# Altium PCB SEC_3002_DZ&HL.PcbDoc (part 3 of 7) (continued)
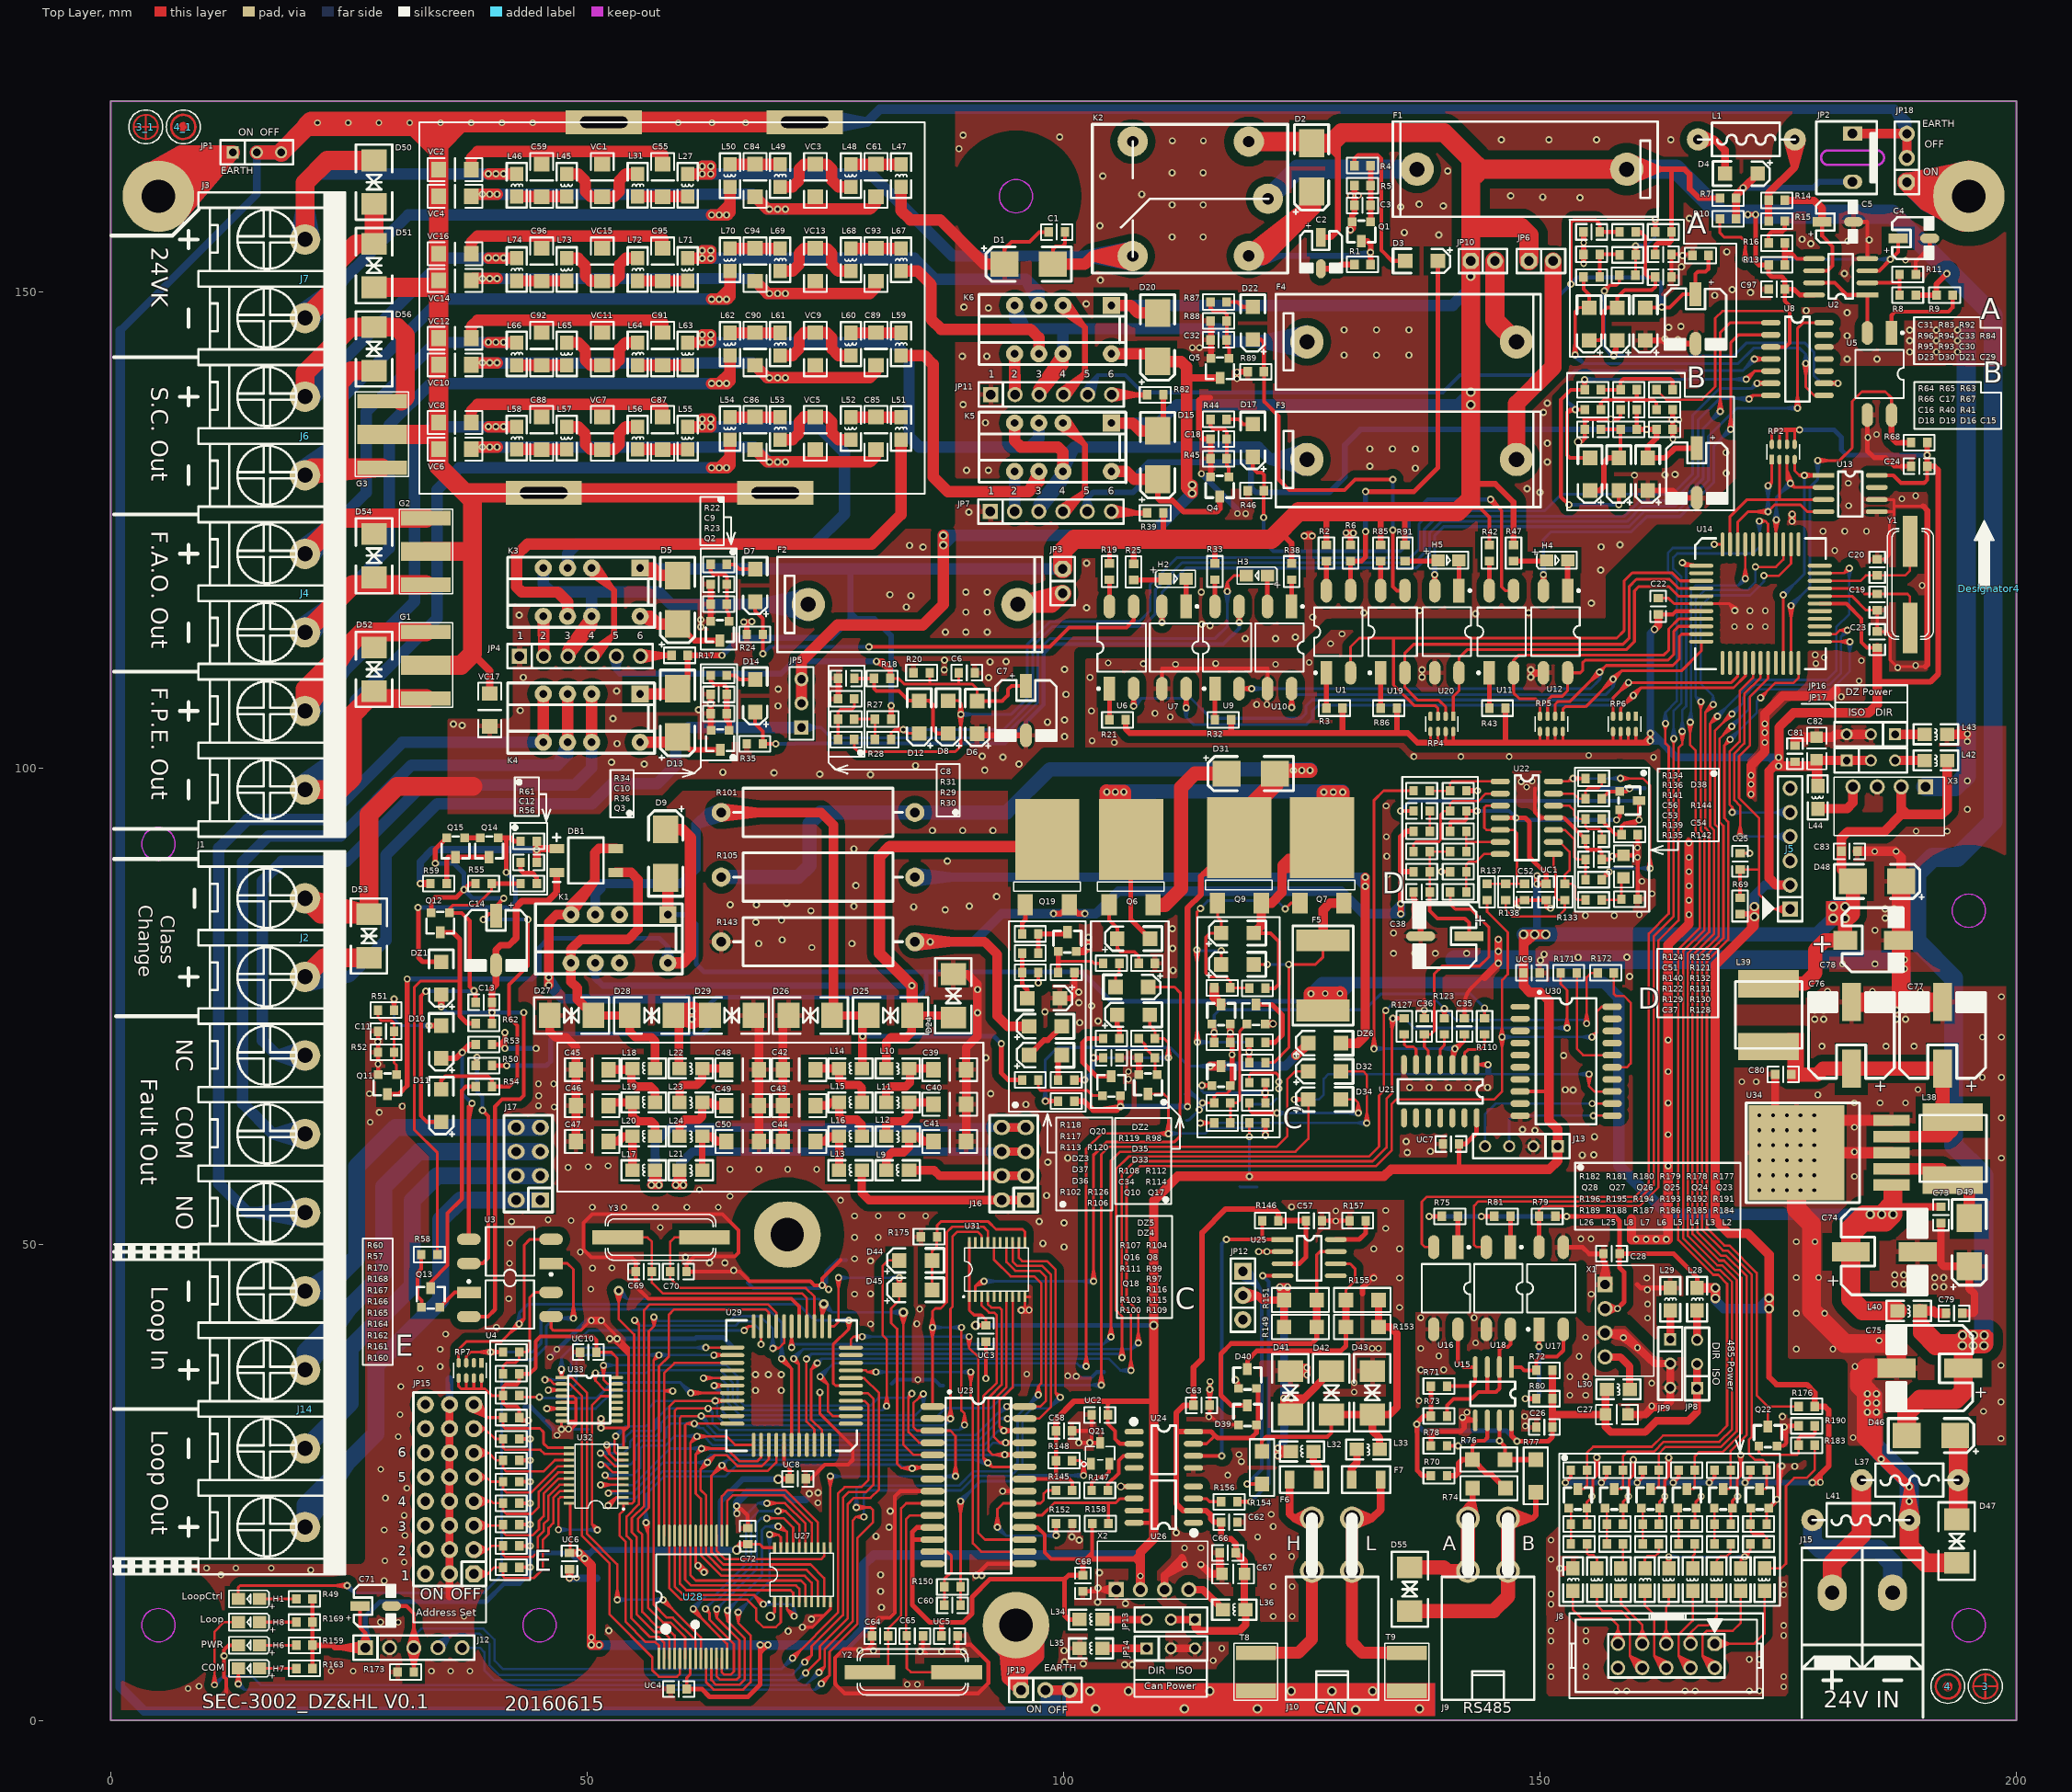
[diagram p0: Top Layer view]
## Nets (pads, with @x,y where several pads share a name; then routed paths per layer and width w, separated by ;. In a path a pad name is that pad's centre, name@x,y a point inside that pad or via, vN(x,y) a via of type N, cw(c..) or ccw(c..) an arc to the next point about the centre after c; other vN are vias at no path point) (continued)
  Bottom Layer w0.254: v1(52.053,28.941) 53.623,28.941 53.979,29.297 53.979,29.693 54.665,30.38 56.931,30.38 57.235,30.684 57.235,31.624 58.363,32.752 v1(62.703,32.752) 63.15,32.304 ; v1@52.081,28.689 53.196,28.941 v1@52.081,29.193 ; v1@62.563,32.54 63.15,32.304 ; v1@62.914,32.892 63.15,32.304 ; v1(68.473,12.196) 71.344,12.196 71.712,11.827 ; v1@68.501,11.943 69.616,12.196 v1@68.501,12.448 ; v1@71.461,10.986 71.712,11.827 ; v1(71.712,10.949) 71.712,11.827 ; v1@71.964,10.986 71.712,11.827 ; v1(86.242,41.252) v1(89.272,41.252) 88.129,41.252 ; v1@86.27,41 87.385,41.252 v1@86.27,41.504 ; v1@89.243,41 88.129,41.252 ; v1@89.243,41.504 88.129,41.252 ; v1@89.393,31.172 89.051,30.476 ; v1@89.747,30.817 89.051,30.476 ; 63.15,32.304 63.15,31.203 63.877,30.476 89.051,30.476 ; 89.051,30.476 v1(89.599,31.024) 89.051,30.476
AD7: U23.2 U27.2 U28.19 U29.30 U31.18 U32.9 | length 124.1
  Top Layer w0.25: 52.854,29.477 52.854,28.224 53.094,27.984 U32.9@53.807,27.984 ; v1@63.461,33.293 64.563,33.548 v1@63.461,33.802 ; U29.30@65.226,33.548 59.21,33.548 58.629,32.966 U28.19@58.629,19.407 58.629,13.876 59.836,12.668 66.809,12.668 67.726,11.751 67.726,10.551 68.49,9.787 69.808,9.787 70.316,10.294 U27.2@70.316,12.433 ; U23.2@86.24,31.685 87.768,31.685 88.13,32.047 88.13,43.199 88.341,43.41 88.341,50.771 88.865,51.295 90.996,51.295 91.399,50.892 U31.18@91.399,50.179 ; v1@87.876,31.714 88.13,32.816 ; v1@88.101,31.431 U23.2@86.999,31.685 ; v1@88.101,31.94 U23.2@86.999,31.685 ; v1@88.384,31.714 88.13,32.816 ; U23.2@86.999,31.685 v1(88.13,31.685) 88.13,32.816
  Bottom Layer w0.25: v1@52.836,30.033 53.91,30.746 v1@53.197,29.672 ; v1(52.999,29.834) 54.046,30.882 56.169,30.882 56.495,31.208 56.495,32.841 57.202,33.548 v1(63.432,33.548) 63.652,33.327 63.652,31.892 64.56,30.985 87.429,30.985 ; v1@87.927,31.841 87.429,30.985 ; v1@88.286,31.482 87.429,30.985 ; 87.429,30.985 v1(88.13,31.685) 87.429,30.985
ALE: U23.3 U27.11 U29.27 | length 85
  Top Layer w0.254: v1(62.196,35.935) U29.27@65.226,35.935 ; v1@62.224,35.683 63.339,35.935 v1@62.224,36.188 ; v1@75.263,25.602 75.516,24.487 ; U27.11@75.516,18.133 v1(75.516,25.63) 75.516,24.487 ; v1@75.768,25.602 75.516,24.487 ; v1@85.086,34.41 85.08,34.399 84.755,33.816 ; v1(85.284,34.285) 85.225,34.285 84.755,33.816 ; v1@85.371,34.09 84.755,33.816 ; v1@88.407,25.658 88.66,26.773 v1@88.912,25.658 ; v1(88.66,25.63) 88.66,29.86 88.104,30.415 U23.3@86.24,30.415 84.605,30.415 84.238,30.782 84.238,33.299 84.755,33.816
  Bottom Layer w0.254: v1(62.196,35.935) 63.977,35.935 64.771,35.141 64.771,33.322 66.044,32.049 84.467,32.049 85.284,32.865 v1(85.284,34.285) 85.284,33.142 ; v1@62.224,35.683 63.339,35.935 v1@62.224,36.188 ; v1(75.516,25.63) v1(88.66,25.63) 87.517,25.63 ; v1@75.544,25.377 76.659,25.63 v1@75.544,25.882 ; v1@85.031,34.257 85.284,33.142 ; v1@85.536,34.257 85.284,33.142 ; v1@88.632,25.377 87.517,25.63 ; v1@88.632,25.882 87.517,25.63
BAK: L25.2 R189.2 | length 3.3
  Top Layer w0.25: R189.2@154.934,18.525 154.934,17.555 155.144,17.345 155.604,17.345 155.976,16.973 L25.2@155.976,15.968
C1: JP15.C1
C2: JP15.C2
C3: JP15.C3
C4: JP15.C4
C5: JP15.C5
C6: JP15.C6
C7: JP15.C7
C8: JP15.C8
CAN1_5.0V: C57.1 C62.2 C63.1 C66.1 C67.1 D39.E D40.E JP13.1 JP13.2 L36.2 R146.2 U24.7 U24.8 U25.3 U26.2 | length 98.1
  Top Layer w0.3: U24.7@113.625,29.047 115.011,29.047 115.792,29.827 115.792,30.004
  Top Layer w0.5: U24.8@113.625,30.317 115.48,30.317 115.792,30.004 116.157,29.639 119.681,29.639 120.245,30.203 D39.E@120.245,31.033 ; D40.E@120.245,34.859 120.427,34.677 D39.E@120.427,31.259 ; U25.3@122.974,47.943 124.724,47.943 125.424,48.643 C57.1@125.424,52.465
  Top Layer w0.6: 111.964,30.317 U24.8@113.625,30.317 ; C66.1@118.087,17.593 118.087,18.556 117.599,19.044 116.843,19.044 116.534,19.353 C62.2@116.534,20.817 115.772,20.817 115.446,21.143 115.446,21.539 114.966,22.019 U26.2@113.625,22.019 112.558,22.019 111.834,22.742 111.834,32.303 112.613,33.082 C63.1@113.635,33.082 113.635,37.071 114.532,37.969 114.532,51.214 117.009,53.691 122.075,53.691 122.541,53.225 R146.2@122.541,52.465 C57.1@125.424,52.465
  Top Layer w0.8: C66.1@118.087,17.593 118.972,16.707 C67.1@118.972,15.389 L36.2@118.972,11.624 ; L36.2@119.101,11.624 119.101,10.051 118.448,9.398 114.142,9.398 ; 113.795,9.745 114.142,9.398 ; 113.795,9.745 JP13.1@113.795,10.585 ; 113.795,9.745 JP13.1@113.795,10.585 ; 113.795,9.745 JP13.1@113.795,10.585 ; JP13.1@113.795,10.585 JP13.2@111.255,10.585 JP13.1@113.795,10.585 ; JP13.1@113.795,10.585 114.142,9.398
CAN_H: D41.K D42.K JP12.2 L32.1 R149.2 R151.2 | length 109.1
  Top Layer w0.8: JP12.2@118.815,44.61 120.363,44.61 ; JP12.2@118.896,44.117 120.363,44.61 ; JP12.2@118.896,45.104 120.363,44.61 ; R149.2@123.138,41.293 R151.2@123.138,44.133 ; D41.K@123.799,32.11 123.799,32.384 D41.K@124.562,33.147 ; D42.K@128.096,36.682 125.229,33.815 ; 120.363,44.61 120.84,44.133 R151.2@123.138,44.133 ; v1(122.48,27.792) v1(122.48,28.589) ; v1(122.48,27.792) L32.1@123.836,28.232 ; v1(122.48,27.792) 122.517,28.232 L32.1@123.836,28.232 ; v1(122.48,27.792) v1(122.48,28.589) ; v1(122.48,27.792) v1(122.48,28.589) ; v1(122.48,27.792) v1(122.48,28.589) ; v1(122.48,28.589) L32.1@123.836,28.232 ; v1(122.48,28.589) L32.1@123.836,28.232 ; v1(122.699,45.49) v1(123.496,45.49) ; v1(122.699,45.49) v1(123.496,45.49) ; v1(122.699,45.49) 123.138,45.474 R151.2@123.138,44.133 ; v1(122.699,45.49) R151.2@123.138,44.133 ; v1(122.699,45.49) v1(123.496,45.49) ; v1(122.699,45.49) R151.2@123.138,44.133 ; D41.K@123.11,32.799 v1(123.11,33.815) ; D41.K@123.11,32.799 v1(123.11,33.815) ; D41.K@123.11,32.799 v1(123.885,33.815) ; D41.K@123.11,32.799 v1(123.885,33.815) ; v1(123.11,33.815) v1@123.131,33.815 ; v1(123.11,33.815) v1@123.11,33.836 ; v1(123.11,33.815) v1(123.885,33.815) ; v1(123.11,33.815) D41.K@123.799,33.147 ; v1(123.11,33.815) v1(123.885,33.815) ; v1(123.11,33.815) v1(123.885,33.815) ; v1(123.11,33.815) v1(123.885,33.815) ; v1(123.11,33.815) v1(123.885,33.815) ; v1(123.11,33.815) v1(123.885,33.815) ; v1(123.11,33.815) v1(123.885,33.815) ; v1@123.11,33.836 v1@123.131,33.815 ; v1@123.11,33.836 v1(123.885,33.815) ; v1@123.11,33.836 v1(123.885,33.815) ; v1@123.131,33.815 v1(123.885,33.815) ; v1@123.131,33.815 D41.K@123.799,33.147 ; v1@123.131,33.815 v1(123.885,33.815) ; v1@123.131,33.815 v1(123.885,33.815) ; v1@123.131,33.815 v1(123.885,33.815) ; v1@123.131,33.815 v1(123.885,33.815) ; R151.2@123.138,44.133 v1(123.496,45.49) ; D41.K@123.799,33.147 D41.K@124.562,33.147 ; D41.K@123.799,33.147 v1(123.885,33.815) ; D41.K@123.799,33.147 v1(123.885,33.815) ; D41.K@123.799,33.147 v1(123.885,33.815) ; v1(123.885,33.815) 125.229,33.815 ; v1(123.885,33.815) D41.K@124.562,33.147 ; D41.K@124.562,33.147 125.229,33.815
  Bottom Layer w0.8: 123.138,29.312 123.138,29.248 ; 123.138,30.631 v1(123.885,33.815) ; 123.138,37.032 v1(123.885,33.815) ; 123.138,42.519 v1(122.699,45.49) ; 123.138,42.571 v1(123.496,45.49) ; v1(122.48,28.589) v1(122.48,27.792) v1(122.48,28.589) ; v1(122.48,28.589) 123.138,29.248 ; v1(122.699,45.49) v1(123.496,45.49) ; v1(122.699,45.49) v1(123.496,45.49) ; v1(122.699,45.49) 123.138,45.474 v1@123.138,33.815 ; v1(123.11,33.815) v1@123.138,33.815 ; v1(123.11,33.815) 123.138,31.033 v1(123.885,33.815) ; v1(123.11,33.815) 123.138,36.597 v1(123.885,33.815) ; v1(123.11,33.815) v1(123.885,33.815) ; v1(123.11,33.815) v1(123.885,33.815) ; v1(123.11,33.815) v1(123.885,33.815) ; v1(123.11,33.815) v1(123.885,33.815) ; v1(123.11,33.815) v1(123.885,33.815) ; 123.138,29.248 v1@123.138,33.815 ; v1@123.138,33.815 v1(123.885,33.815) ; v1@123.138,33.815 v1(123.885,33.815) ; v1@123.138,33.815 v1(123.885,33.815) ; v1@123.138,33.815 v1(123.885,33.815) ; v1@123.138,33.815 v1(123.885,33.815)
CAN_L: D42.A D43.A L33.1 R153.2 R154.2 R155.2 | length 34.6
  Top Layer w0.4: R154.2@120.812,28.256 120.812,29.317 121.259,29.763 127.67,29.763 128.096,30.19 D42.A@128.096,32.11
  Top Layer w0.8: D42.A@128.096,32.11 D43.A@132.394,32.11 ; R155.2@133.055,44.133 R153.2@133.055,41.293 134.281,41.293 134.979,40.595 134.979,32.876 134.213,32.11 D43.A@132.394,32.11 ; L33.1@133.158,28.441 133.158,29.673 132.394,30.437 D43.A@132.394,32.11
CAN_RST: U23.17 U29.11 | length 51.4
  Top Layer w0.254: U29.11@77.672,39.136 77.672,39.989 77.973,40.29 ; v1@78.835,40.038 77.973,40.29 ; v1@78.835,40.541 77.973,40.29 ; v1@89.824,40.262 90.076,39.147 ; v1@90.329,40.262 90.076,39.147 ; U23.17@95.892,18.985 91.744,18.985 91.053,19.676 91.053,38.139 90.076,39.116 v1(90.076,40.29) 90.076,39.147 ; 77.973,40.29 v1(78.871,40.29) 77.973,40.29
  Bottom Layer w0.254: v1(78.871,40.29) v1(90.076,40.29) 88.933,40.29 ; v1@78.899,40.037 80.014,40.29 v1@78.899,40.542 ; v1@90.048,40.037 88.933,40.29 ; v1@90.048,40.542 88.933,40.29
CANH: F6.1 J10.1 J10.3 T8.1 | length 41
  Top Layer w0.8: F6.1@123.711,25.264 123.711,21.688 124.203,21.196 ; J10.1@125.869,20.369 124.203,21.196 ; J10.1@125.869,22.024 124.203,21.196 ; 124.203,21.196 J10.1@126.063,21.196 124.203,21.196
  Top Layer w1.27: T8.1@120.179,7.105 124.63,7.105 126.063,8.538 J10.3@126.063,15.696 ; 126.063,10.636 J10.3@126.063,15.696 ; J10.3@126.063,16.136 J10.1@126.063,21.196 J10.3@126.063,15.696
CANL: F7.1 J10.2 J10.4 T9.2 | length 40.1
  Top Layer w0.8: J10.2@130.263,21.196 132.347,21.196 ; J10.2@130.436,20.364 132.347,21.196 ; J10.2@130.436,22.028 132.347,21.196 ; F7.1@133.283,25.264 133.283,22.133 132.347,21.196
  Top Layer w1.27: 130.263,10.636 J10.4@130.263,15.696 ; J10.4@130.263,16.136 J10.2@130.263,21.196 J10.4@130.263,15.696 ; T9.2@136.027,7.105 131.337,7.105 130.263,8.179 J10.4@130.263,15.696
"CLASS CHANGE": D53.A H3.K J2.1 JP5.1 | length 163.4
  Top Layer w0.3: v1@116.946,118.54 117.176,119.481 ; v1(117.176,118.513) 117.176,119.481 ; v1@117.405,118.54 117.176,119.481 ; H3.K@119.179,120.181 117.876,120.181 117.176,119.481
  Top Layer w2: J2.1@20.387,78.055 22.39,80.059 D53.A@27.094,80.059
  Bottom Layer w0.3: JP5.1@72.488,104.229 74.544,104.229 75.61,103.162 93.607,103.162 97.301,106.857 97.301,112.284 98.596,113.579 115.907,113.579 117.18,114.852 117.176,114.856 v1(117.176,118.513) 117.176,117.232 ; JP5.1@72.515,103.93 74.138,104.229 ; JP5.1@72.515,104.527 74.138,104.229 ; JP5.1@72.597,103.639 74.138,104.229 ; JP5.1@72.597,104.819 74.138,104.229 ; v1@116.946,118.492 117.176,117.232 ; v1@117.406,118.492 117.176,117.232
  Bottom Layer w1.2: J2.1@20.387,78.055 25.035,78.055 ; J2.1@20.494,77.061 25.035,78.055 ; J2.1@20.494,79.05 25.035,78.055 ; 68.138,104.229 JP5.1@72.488,104.229 60.64,104.229 59.307,102.896 59.307,100.287 57.344,98.324 52.62,98.324 50.522,96.226 34.266,96.226 28.881,90.84 28.881,81.901 25.035,78.055
"CLASS JUMP": D20.A JP5.2 JP5.3 K6.12 Q5.C | length 115.7
  Top Layer w0.8: 113.022,140.938 Q5.C@116.412,140.938
  Top Layer w1.2: 87.377,119.331 v4(87.377,123.381) ; K6.12@105.018,143.46 109.061,143.46 K6.12@105.018,143.468 ; D20.A@109.856,142.665 112.324,142.665 112.887,142.101 112.887,129.414 v4(113.479,128.822) v4(113.479,129.682) ; JP5.3@72.488,109.309 72.488,111.289 72.568,111.289 76.26,114.981 85.205,114.981 87.377,117.153 v4(87.377,123.381) ; JP5.3@72.488,109.309 JP5.2@72.488,106.769 JP5.3@72.488,109.309 ; v4(87.377,123.381) v4(87.377,124.394) ; v4(87.377,123.381) v4(87.377,124.394) ; v4(87.377,123.381) v4(87.377,124.394) ; v4(87.377,123.381) 87.377,120.344 v4(87.377,124.394)
  Bottom Layer w1.2: v4(87.377,123.381) 88.39,124.394 ; v4(87.377,123.381) v4(87.377,124.394) ; v4(87.377,123.381) v4(87.377,124.394) ; v4(87.377,123.381) v4(87.377,124.394) ; v4(87.377,123.381) 88.39,124.394 ; v4(87.377,123.381) v4(87.377,124.394) ; v4(87.377,123.381) 88.39,124.394 ; v4(87.377,123.381) v4(87.377,124.394) ; v4(87.377,124.394) 88.39,124.394 ; v4(87.377,124.394) 88.39,124.394 ; 88.39,124.394 109.052,124.394 v4(113.479,128.822) ; v4(113.479,128.822) v4(113.479,129.682) ; v4(113.479,128.822) v4(113.479,129.682) ; v4(113.479,128.822) v4(113.479,129.682) ; v4(113.479,128.822) v4(113.479,129.682)
CLASS_IN: RP5.1 U10.4 U14.11 | length 70.1
  Top Layer w0.3: v1@123.699,106.365 123.929,107.625 v1@124.159,106.365 ; v1(123.929,106.344) U10.4@123.929,108.309 ; RP5.1@152.39,105.408 152.39,106.152 152.656,106.418 154.786,106.418 v1(157.675,109.308) ; v1@157.499,109.457 156.658,108.29 ; v1@157.528,109.486 158.551,110.183 ; v1@157.825,109.132 156.658,108.29 ; v1@157.853,109.16 158.551,110.183 ; U14.11@166.919,113.246 166.919,112.268 164.835,110.183 158.551,110.183 ; 156.658,108.29 v1(157.675,109.308) ; v1(157.675,109.308) 158.551,110.183
  Bottom Layer w0.3: v1@123.7,106.378 123.929,107.134 ; v1(123.929,106.344) 123.929,107.134 ; v1@124.157,106.378 123.929,107.134 ; v1@157.447,109.275 157.675,108.481 ; v1@157.904,109.275 157.675,108.481 ; 123.929,107.134 124.469,107.674 156.869,107.674 157.675,108.481 ; 157.675,108.481 v1(157.675,109.308) 157.675,108.481
CLOK: J5.5 U14.16 | length 37.1
  Top Layer w0.25: v1@169.923,95.377 170.172,95.874 ; v1(170.172,95.318) 170.172,95.874 ; v1@170.421,95.377 170.172,95.874 ; U14.16@172.355,111.011 172.355,109.466 170.945,108.055 170.945,102.754 169.889,101.698 169.889,96.158 170.172,95.874
  Bottom Layer w0.25: v1(170.172,95.318) J5.5@176.246,95.318 174.696,95.318 ; v1@170.201,95.064 171.303,95.318 v1@170.201,95.573 ; J5.5@176.099,94.66 174.696,95.318 ; J5.5@176.099,95.977 174.696,95.318 ; J5.5@176.188,94.897 174.696,95.318 ; J5.5@176.188,95.739 174.696,95.318 ; J5.5@176.236,95.144 174.696,95.318 ; J5.5@176.236,95.493 174.696,95.318
COMM_LED: H7.K U31.16 | length 152.1
  Top Layer w0.254: v1@13.134,3.869 13.386,4.984 v1@13.639,3.869 ; v1(13.386,3.841) H7.K@13.386,5.457 ; v1@74.408,4.053 75.432,4.719 ; v1(74.568,3.856) 75.432,4.719 ; v1@74.766,3.696 75.432,4.719 ; v1(78.25,22.356) 79.714,22.356 79.997,22.073 79.997,20.797 78.359,19.16 78.359,10.133 75.432,7.206 75.432,4.719 ; v1@78.278,22.104 79.393,22.356 v1@78.278,22.609 ; 92.699,49.544 92.699,48.347 94.429,46.617 96.929,46.617 97.645,45.9 97.645,35.37 97.349,35.074 ; v1@97.098,34.203 97.349,35.074 ; v1(97.349,34.168) 97.349,35.074 ; v1@97.601,34.203 97.349,35.074
  Bottom Layer w0.254: v1@13.234,3.637 14.009,3.218 ; v1(13.386,3.841) 14.009,3.218 ; v1@13.59,3.993 14.009,3.218 ; v1@74.365,4.008 73.93,3.218 ; v1@74.721,3.653 73.93,3.218 ; v1@77.998,22.384 78.25,23.499 v1@78.502,22.384 ; v1(78.25,22.356) 78.25,24.279 78.62,24.649 89.019,24.649 90.526,26.156 94.261,26.156 95.171,27.066 95.171,31.989 v1(97.349,34.168) 96.429,33.248 ; v1@97.153,34.329 96.429,33.248 ; v1@97.51,33.971 96.429,33.248 ; 14.009,3.218 73.93,3.218 ; 73.93,3.218 v1(74.568,3.856) 73.93,3.218
DATA: J5.4 U14.17 | length 40.9
  Top Layer w0.25: v1@170.742,92.807 170.993,93.909 ; v1@170.993,92.778 170.993,96.017 170.389,96.622 170.389,101.491 171.445,102.547 171.445,107.785 173.142,109.483 U14.17@173.142,110.512 ; v1(170.996,92.778) 170.993,93.909 ; v1@171.25,92.808 170.993,93.909
  Bottom Layer w0.25: v1(170.996,92.778) J5.4@176.246,92.778 174.696,92.778 ; v1@171.025,92.524 172.127,92.778 v1@171.025,93.033 ; J5.4@176.099,92.12 174.696,92.778 ; J5.4@176.099,93.437 174.696,92.778 ; J5.4@176.188,92.357 174.696,92.778 ; J5.4@176.188,93.199 174.696,92.778 ; J5.4@176.236,92.604 174.696,92.778 ; J5.4@176.236,92.953 174.696,92.778
DC: L3.2 L6.2 R184.2 | length 25.6
  Top Layer w0.25: v1@163.256,17.144 L6.2@163.51,16.042 ; L6.2@163.51,15.968 v1(163.51,17.173) L6.2@163.51,16.042 ; v1@163.764,17.144 L6.2@163.51,16.042 ; L3.2@171.044,15.968 171.044,16.84 ; v1@171.278,17.334 171.044,16.84 ; v1@171.308,17.365 172.084,17.88 ; v1@171.582,16.94 171.044,16.84 ; v1@171.693,17.035 172.084,17.88 ; R184.2@172.084,18.525 172.084,17.88 ; 171.044,16.84 172.084,17.88 ; 171.044,16.84 v1(171.478,17.173) 172.084,17.88
  Bottom Layer w0.25: v1(163.51,17.173) v1(171.478,17.173) 170.347,17.173 ; v1@163.539,16.919 164.641,17.173 v1@163.539,17.428 ; v1@171.449,16.919 170.347,17.173 ; v1@171.449,17.428 170.347,17.173
DCE: L8.2 R188.2 | length 2.6
  Top Layer w0.25: L8.2@158.487,15.968 158.704,16.185 R188.2@158.704,18.525
DCF: L4.2 R185.2 | length 3.6
  Top Layer w0.25: L4.2@168.533,15.968 168.533,16.817 168.938,17.222 169.609,17.222 170.014,17.627 R185.2@170.014,18.525
DCT: L5.2 R186.2 | length 2.6
  Top Layer w0.25: L5.2@166.021,15.968 166.021,17.252 166.244,17.475 R186.2@166.244,18.525
DP485_5.0V: C26.1 C27.1 JP8.1 JP8.2 L30.2 R70.2 R71.1 R72.1 R73.2 R80.2 U15.8 | length 71.8
  Top Layer w0.5: 137.105,29.224 v1(137.056,31.107) 137.778,31.954 ; R70.2@138.545,25.689 137.655,25.689 137.105,26.238 137.105,31.281 137.778,31.954 ; R71.1@138.545,35.087 R73.2@138.545,31.954 137.778,31.954 ; U15.8@147.006,31.5 147.006,29.885 ; C26.1@151.306,30.79 151.306,29.737 150.875,29.306 v1(147.585,29.306) ; 147.006,29.885 v1(147.585,29.306) ; 147.006,29.885 v1(147.585,29.306)
  Top Layer w0.8: C26.1@151.306,30.79 R80.2@151.306,33.774 R72.1@151.306,36.758 ; 151.391,32.117 C27.1@156.879,32.117 ; L30.2@156.879,34.598 C27.1@156.879,32.117 ; L30.2@157.038,34.598 L30.2@157.038,34.757 ; C27.1@156.879,32.117 156.879,30.819 157.416,30.282 161.034,30.282 162.2,31.448 165.55,31.448 166.487,32.385 ; 166.487,32.385 JP8.1@166.487,34.877 ; 166.487,32.385 JP8.1@166.487,34.877 ; JP8.1@166.487,34.877 JP8.2@166.487,37.417 JP8.1@166.487,34.877
  Bottom Layer w0.5: v1(137.056,31.107) 137.742,30.421 146.47,30.421 ; 146.47,30.421 v1(147.585,29.306) 146.47,30.421
DP485_OE: R73.1 U15.2 U15.3 U18.4 | length 17
  Top Layer w0.4: R73.1@140.245,31.954 140.245,33.066 140.918,33.74 142.781,33.74 143.516,34.474 144.466,34.474 ; U15.3@144.466,37.088 144.466,34.474 ; U18.4@146.899,41.053 146.899,39.504 146.611,39.216 146.02,39.216 145.736,38.932 U15.2@145.736,37.088 145.736,34.831 145.379,34.474 144.466,34.474
DP485_RXD: R72.2 U15.1 U17.2 | length 9.3
  Top Layer w0.4: U15.1@147.006,37.088 148.003,37.088 148.334,36.758 R72.2@149.606,36.758 149.606,37.798 149.987,38.179 151.781,38.179 152.44,38.839 U17.2@152.44,41.053
DP485_TXD: R71.2 U15.4 U16.4 | length 10.1
  Top Layer w0.4: R71.2@140.245,35.087 142.779,35.087 143.196,35.505 U15.4@143.196,37.088 141.976,37.088 141.385,37.679 U16.4@141.385,41.053
DP485GND: C26.2 C27.2 JP9.2 JP9.3 R78.1 U15.5 U16.3 U18.3 X1.3 | length 49.2
  Top Layer w0.5: R78.1@138.545,28.821 138.545,29.806 139.071,30.332 141.675,30.332 142.048,30.705 ; v2(141.861,31.801) 142.048,31.232 ; v2(141.861,31.801) 142.048,30.705 ; v2(141.861,31.801) 142.316,31.5 ; v2(141.861,31.801) 142.048,31.232 ; v2(141.861,31.801) U15.5@143.196,31.5 142.316,31.5 ; v2(141.861,31.801) 142.316,31.5 ; 142.048,30.705 142.048,31.232 ; 142.048,31.232 142.316,31.5
  Top Layer w0.8: C27.2@159.239,32.117 161.089,32.117 ; 161.123,38.353 v2(158.749,40.179) ; 163.664,36.074 163.664,33.477 163.02,32.834 ; v2(158.749,40.179) 158.788,40.688 ; v2(158.749,40.179) X1.3@156.834,40.688 158.788,40.688 ; v2(158.749,40.179) v2(160.233,39.136) ; v2(158.749,40.179) 158.788,40.688 ; v2(158.749,40.179) 158.788,40.688 ; 158.788,40.688 162.012,37.464 ; 158.788,40.688 v2(160.233,39.136) ; v2(160.233,39.136) 162.012,37.464 ; 161.089,32.117 161.805,32.834 163.02,32.834 ; 161.089,32.117 v2(161.718,32.999) 163.02,32.834 ; 162.012,37.464 JP9.2@163.664,37.464 ; 162.012,37.464 JP9.2@163.664,37.464 ; JP9.2@163.664,37.464 JP9.3@163.664,34.924 JP9.2@163.664,37.464
  other v2: 148.448,30.916 148.386,31.925 142.334,32.357 137.31,33.567 153.133,34.128 154.802,34.128 161.718,35.405 153.133,36.088 154.802,36.088 137.48,36.817 139.879,36.817 154.096,38.214 139.38,38.265 137.48,39.045 143.23,39.641 154.778,40.219 143.077,42.261 137.48,42.278
DZ485A: D55.K J9.1 J9.3 R74.1 | length 45.2
  Top Layer w0.6: J9.1@141.606,21.652 142.934,23.088 ; J9.1@142.11,21.315 142.934,23.088 ; J9.1@142.785,21.139 142.934,23.088 ; R74.1@142.934,24.376 142.934,23.088 ; J9.1@143.39,21.187 142.934,23.088 ; J9.1@142.44,21.196 142.44,22.594 ; J9.1@142.44,21.196 142.934,23.088 ; J9.1@142.44,21.196 142.44,22.594 ; 142.44,22.594 142.934,23.088 ; 142.44,22.594 141.546,21.519 142.44,22.594 ; 142.44,22.594 143.333,21.519 142.44,22.594 ; 142.44,22.594 142.092,21.24 142.44,22.594 ; 142.44,22.594 142.787,21.24 142.44,22.594
  Top Layer w1.5: D55.K@136.328,16.061 139.881,16.061 140.245,15.696 ; 140.245,15.696 J9.3@142.44,15.696 ; 140.245,15.696 J9.3@142.44,15.696 ; J9.3@142.44,15.696 J9.1@142.44,21.196 J9.3@142.44,15.696
DZ485B: D55.A J9.2 J9.4 R77.1 | length 43.1
  Top Layer w0.6: J9.2@146.64,21.196 149.206,21.196 ; J9.2@146.663,20.847 149.206,21.196 ; J9.2@146.663,21.546 149.206,21.196 ; J9.2@146.815,20.263 149.206,21.196 ; J9.2@146.815,22.13 149.206,21.196 ; R77.1@149.548,23.955 149.548,21.539 149.206,21.196
  Top Layer w1.5: D55.A@136.328,11.489 145.121,11.489 146.64,13.008 ; 146.64,13.008 J9.4@146.64,15.696 ; 146.64,13.008 J9.4@146.64,15.696 ; J9.4@146.64,15.696 J9.2@146.64,21.196 J9.4@146.64,15.696
EARTH_EXT: JP1.1 pad.0@5,160 | length 344.7
  Top Layer w1.5: pad.0@2.837,162.079 7.353,164.611 ; pad.0@3.664,162.686 10.905,164.611 ; pad.0@3.777,160.868 7.353,164.611 ; pad.0@3.922,162.8 JP1.1@12.798,164.611 ; pad.0@4.2,161.269 10.905,164.611 ; pad.0@4.346,161.35 JP1.1@12.798,164.611 ; pad.0@5,162.258 7.353,164.611 ; pad.0@5.868,158.776 JP1.1@12.798,164.611 ; pad.0@6.037,158.916 10.905,164.611 ; pad.0@6.294,160 10.905,164.611 ; pad.0@6.421,159.519 7.353,164.611 ; pad.0@6.933,157.706 JP1.1@12.798,164.611 ; pad.0@7.282,158.053 10.905,164.611 ; 7.754,163.582 JP1.1@12.798,164.611 ; pad.0@7.953,159.469 7.353,164.611 ; 7.965,162.746 JP1.1@12.798,164.611 ; pad.0@8.187,160 JP1.1@12.798,164.611 ; 8.289,161.945 JP1.1@12.798,164.611 ; 8.657,163.368 9.9,164.611 ; 8.721,161.178 JP1.1@12.798,164.611 ; 8.981,160.794 JP1.1@12.798,164.611 ; 9.346,160.546 JP1.1@12.798,164.611 ; pad.0@5,160 JP1.1@12.798,164.611 ; pad.0@5,160 7.353,164.611 ; pad.0@5,160 10.905,164.611 ; 7.353,164.611 9.9,164.611 ; 9.9,164.611 10.905,164.611 ; 10.905,164.611 JP1.1@12.798,164.611 ; 10.905,164.611 JP1.1@12.798,164.611
  Top Layer w2.032: pad.0@5,160 8.368,163.368 8.657,163.368
  Bottom Layer w1.5: pad.0@2.828,162.07 7.323,164.611 ; pad.0@3.68,162.694 11,164.611 ; pad.0@3.773,160.862 7.323,164.611 ; pad.0@3.922,162.8 JP1.1@12.798,164.611 ; pad.0@4.208,161.274 11,164.611 ; pad.0@4.346,161.35 JP1.1@12.798,164.611 ; pad.0@5,162.288 7.323,164.611 ; pad.0@5.868,158.776 JP1.1@12.798,164.611 ; pad.0@6.027,158.907 11,164.611 ; pad.0@6.423,159.527 7.323,164.611 ; pad.0@6.933,157.706 JP1.1@12.798,164.611 ; pad.0@7.263,158.031 11,164.611 ; 7.754,163.582 JP1.1@12.798,164.611 ; pad.0@7.956,159.487 7.323,164.611 ; 7.965,162.746 JP1.1@12.798,164.611 ; 8.289,161.945 JP1.1@12.798,164.611 ; 8.388,163.368 9.631,164.611 11,164.611 ; 8.721,161.178 JP1.1@12.798,164.611 ; 8.981,160.794 JP1.1@12.798,164.611 ; 9.346,160.546 JP1.1@12.798,164.611 ; 9.611,164.611 7.323,164.611 ; pad.0@5,160 pad.0@6.389,160 ; pad.0@5,160 JP1.1@12.798,164.611 ; pad.0@5,160 7.323,164.611 ; pad.0@5,160 11,164.611 ; pad.0@6.389,160 11,164.611 ; pad.0@6.389,160 8.187,160 JP1.1@12.798,164.611 ; 11,164.611 JP1.1@12.798,164.611 ; 11,164.611 JP1.1@12.798,164.611
  Bottom Layer w2.032: pad.0@5,160 8.368,163.368 8.388,163.368
EARTH_EXT1: JP18.1 pad.0@195,160 | length 169.1
  Top Layer w2: pad.0@193.517,161.483 JP18.1@188.5,161.483 ; JP18.1@188.5,161.483 190.5,159.483 ; JP18.1@188.5,161.483 193.848,157.503 JP18.1@188.5,161.483 ; JP18.1@188.5,161.483 195.046,162.75 JP18.1@188.5,161.483 ; JP18.1@188.5,161.483 pad.0@195,160 ; JP18.1@188.5,161.483 pad.0@195,160 ; 190.5,159.483 194.483,159.483 pad.0@195,160 ; 190.5,159.483 194.47,157.302 190.5,159.483 ; 190.5,159.483 193.871,162.508 190.5,159.483 ; 190.5,159.483 pad.0@195,160 ; 190.5,159.483 pad.0@195,160
  Bottom Layer w2: pad.0@192.007,159.822 190.161,159.822 ; pad.0@193.517,161.483 JP18.1@188.5,161.483 ; pad.0@193.848,157.503 JP18.1@188.5,161.483 ; pad.0@194.395,159.395 190.588,159.395 ; pad.0@195.046,162.75 JP18.1@188.5,161.483 ; JP18.1@188.5,161.483 190.161,159.822 ; JP18.1@188.5,161.483 pad.0@195,160 ; 190.161,159.822 190.588,159.395 ; 190.161,159.822 194.316,157.336 190.161,159.822 ; 190.161,159.822 194.123,162.606 190.161,159.822 ; 190.161,159.822 pad.0@195,160 ; 190.161,159.822 pad.0@195,160 ; 190.588,159.395 194.514,157.293 190.588,159.395 ; 190.588,159.395 193.803,162.476 190.588,159.395 ; 190.588,159.395 pad.0@195,160 ; 190.588,159.395 pad.0@195,160
EARTH_EXT2: JP19.1 pad.0@95,10 | length 182.2
  Top Layer w1.5: pad.0@93.75,10.029 94.248,4.492 ; pad.0@94.248,9.248 94.248,4.492 ; pad.0@95.549,9.451 95.549,5.098 ; pad.0@96.212,9.693 94.248,4.492 ; pad.0@97.221,9.101 97.221,6.77 95.549,5.098 ; pad.0@97.548,8.966 94.248,4.492 ; 94.248,4.492 JP19.1@95.549,3.191 ; 94.248,4.492 JP19.1@95.549,3.191 ; 94.248,4.492 pad.0@95,10 ; pad.0@95,10 95.549,5.098 ; pad.0@95,10 95.549,5.098 ; JP19.1@95.549,3.191 95.549,5.098 ; 95.549,5.098 97.71,9.532 95.549,5.098 ; 95.549,5.098 92.461,8.944 95.549,5.098 ; 95.549,5.098 96.25,9.981 95.549,5.098 ; 95.549,5.098 93.785,9.705 95.549,5.098
  Bottom Layer w1.5: pad.0@93.75,10.028 94.252,4.488 ; pad.0@94.252,9.252 94.252,4.488 ; pad.0@95.549,9.451 95.549,5.049 ; pad.0@96.212,9.694 94.252,4.488 ; pad.0@97.205,8.843 97.205,6.705 95.549,5.049 ; pad.0@97.549,8.968 94.252,4.488 ; 94.252,4.488 JP19.1@95.549,3.191 ; 94.252,4.488 JP19.1@95.549,3.191 ; 94.252,4.488 pad.0@95,10 ; pad.0@95,10 95.549,5.049 ; pad.0@95,10 95.549,5.049 ; JP19.1@95.549,3.191 95.549,5.049 ; 95.549,5.049 97.711,9.537 95.549,5.049 ; 95.549,5.049 92.457,8.954 95.549,5.049 ; 95.549,5.049 96.25,9.981 95.549,5.049 ; 95.549,5.049 93.785,9.707 95.549,5.049